# Altium PCB PV Refridgerator v0.1.1.PCBDOC (part 1 of 2)
Units mil, origin at the board's own origin, x right, y up, seen from the top; angles counter-clockwise.
Board outline 6000 x 6000 mil, 2 copper layers (Top Layer, Bottom Layer); 137 components, 98 nets, 385 pads, 641 vias.
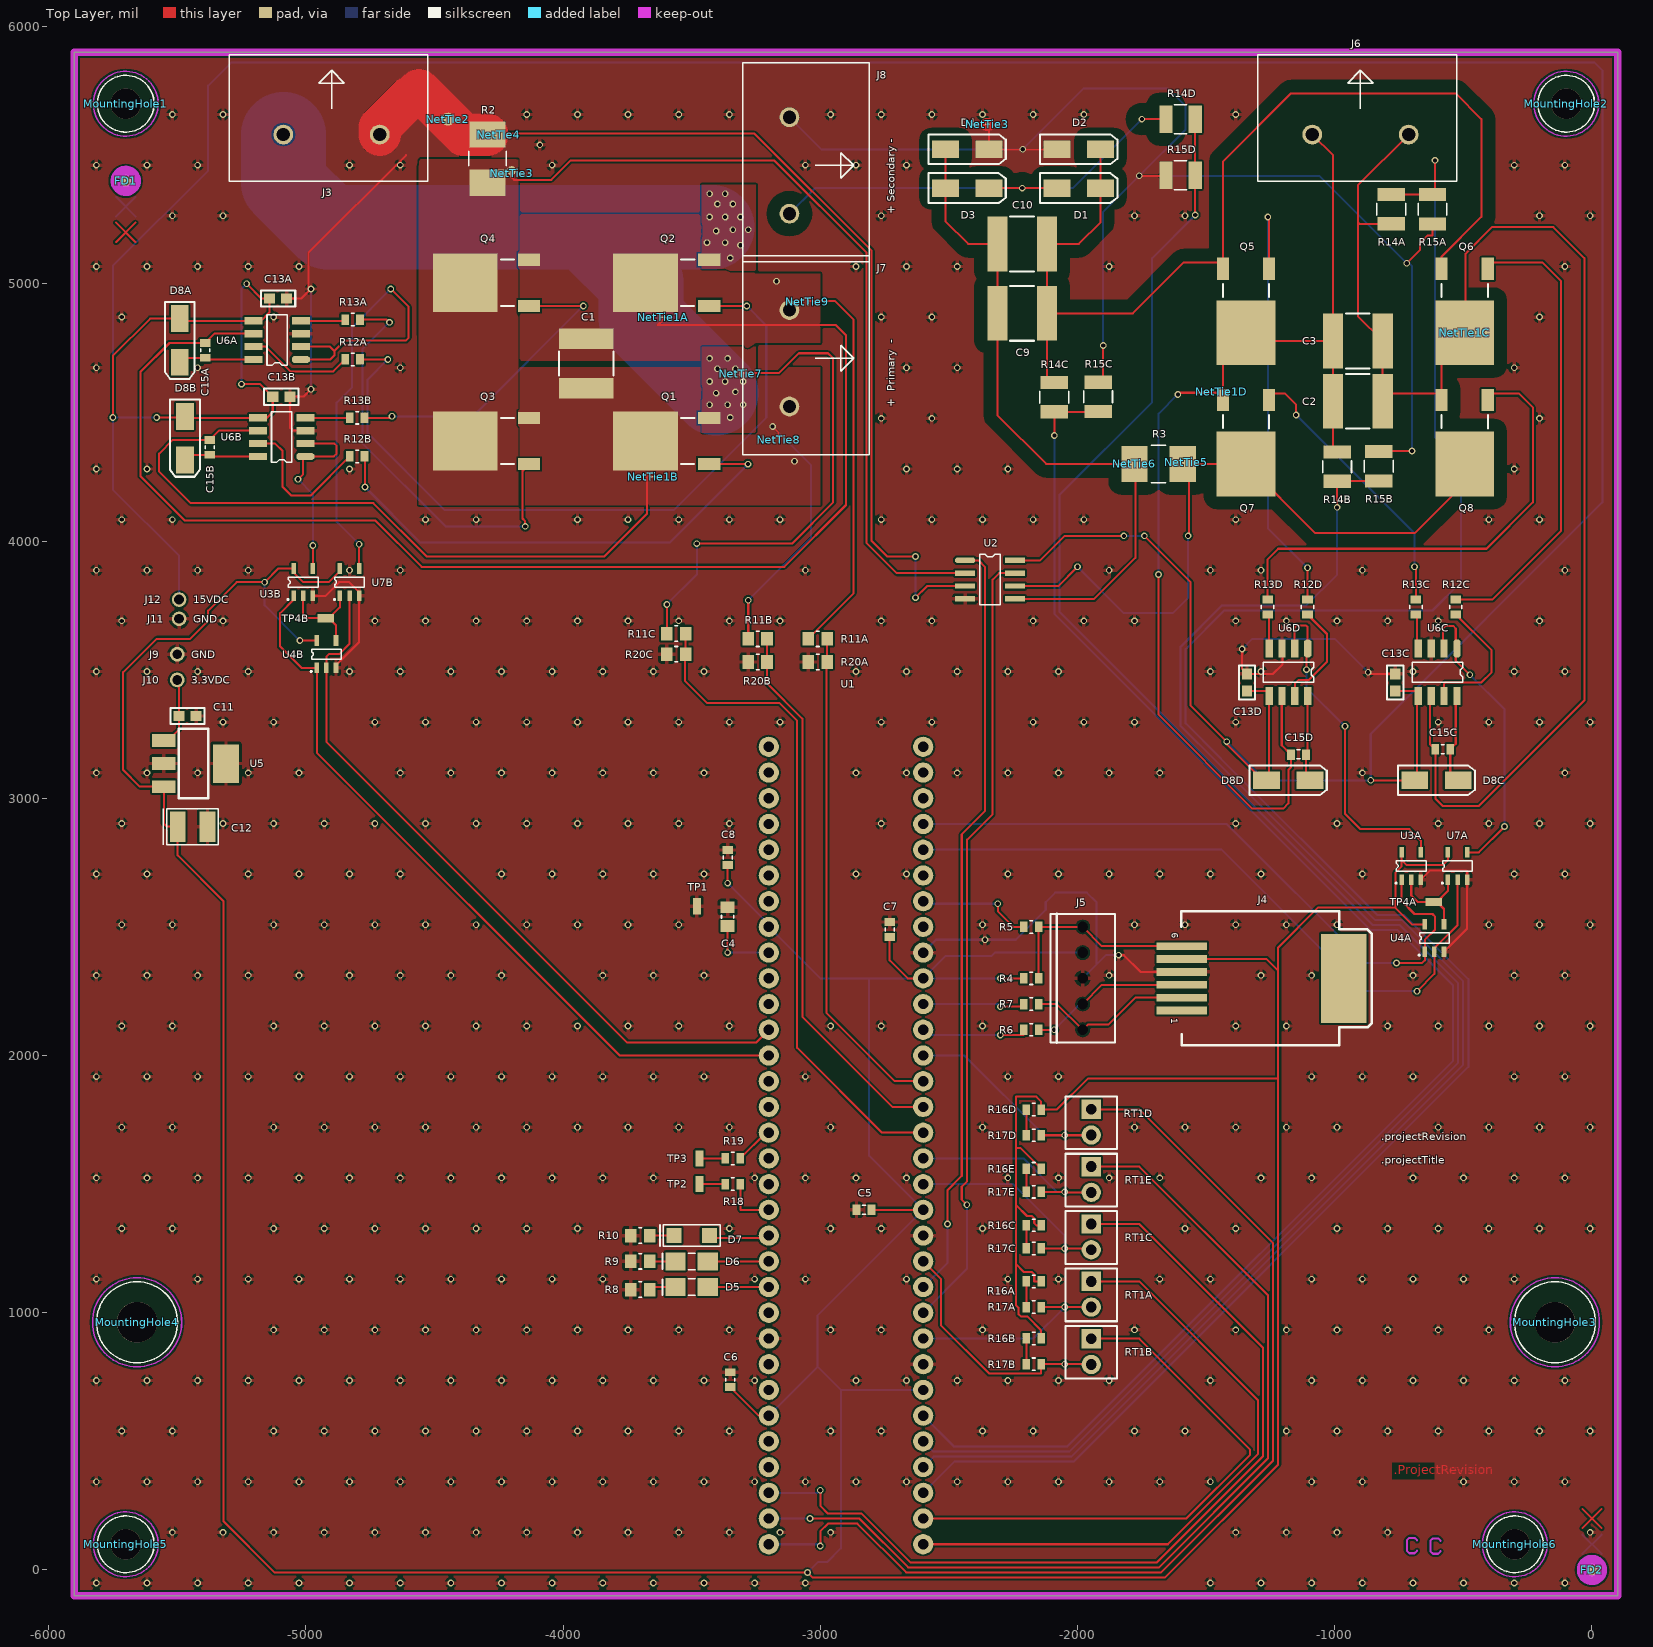
[diagram p0: Top Layer view]
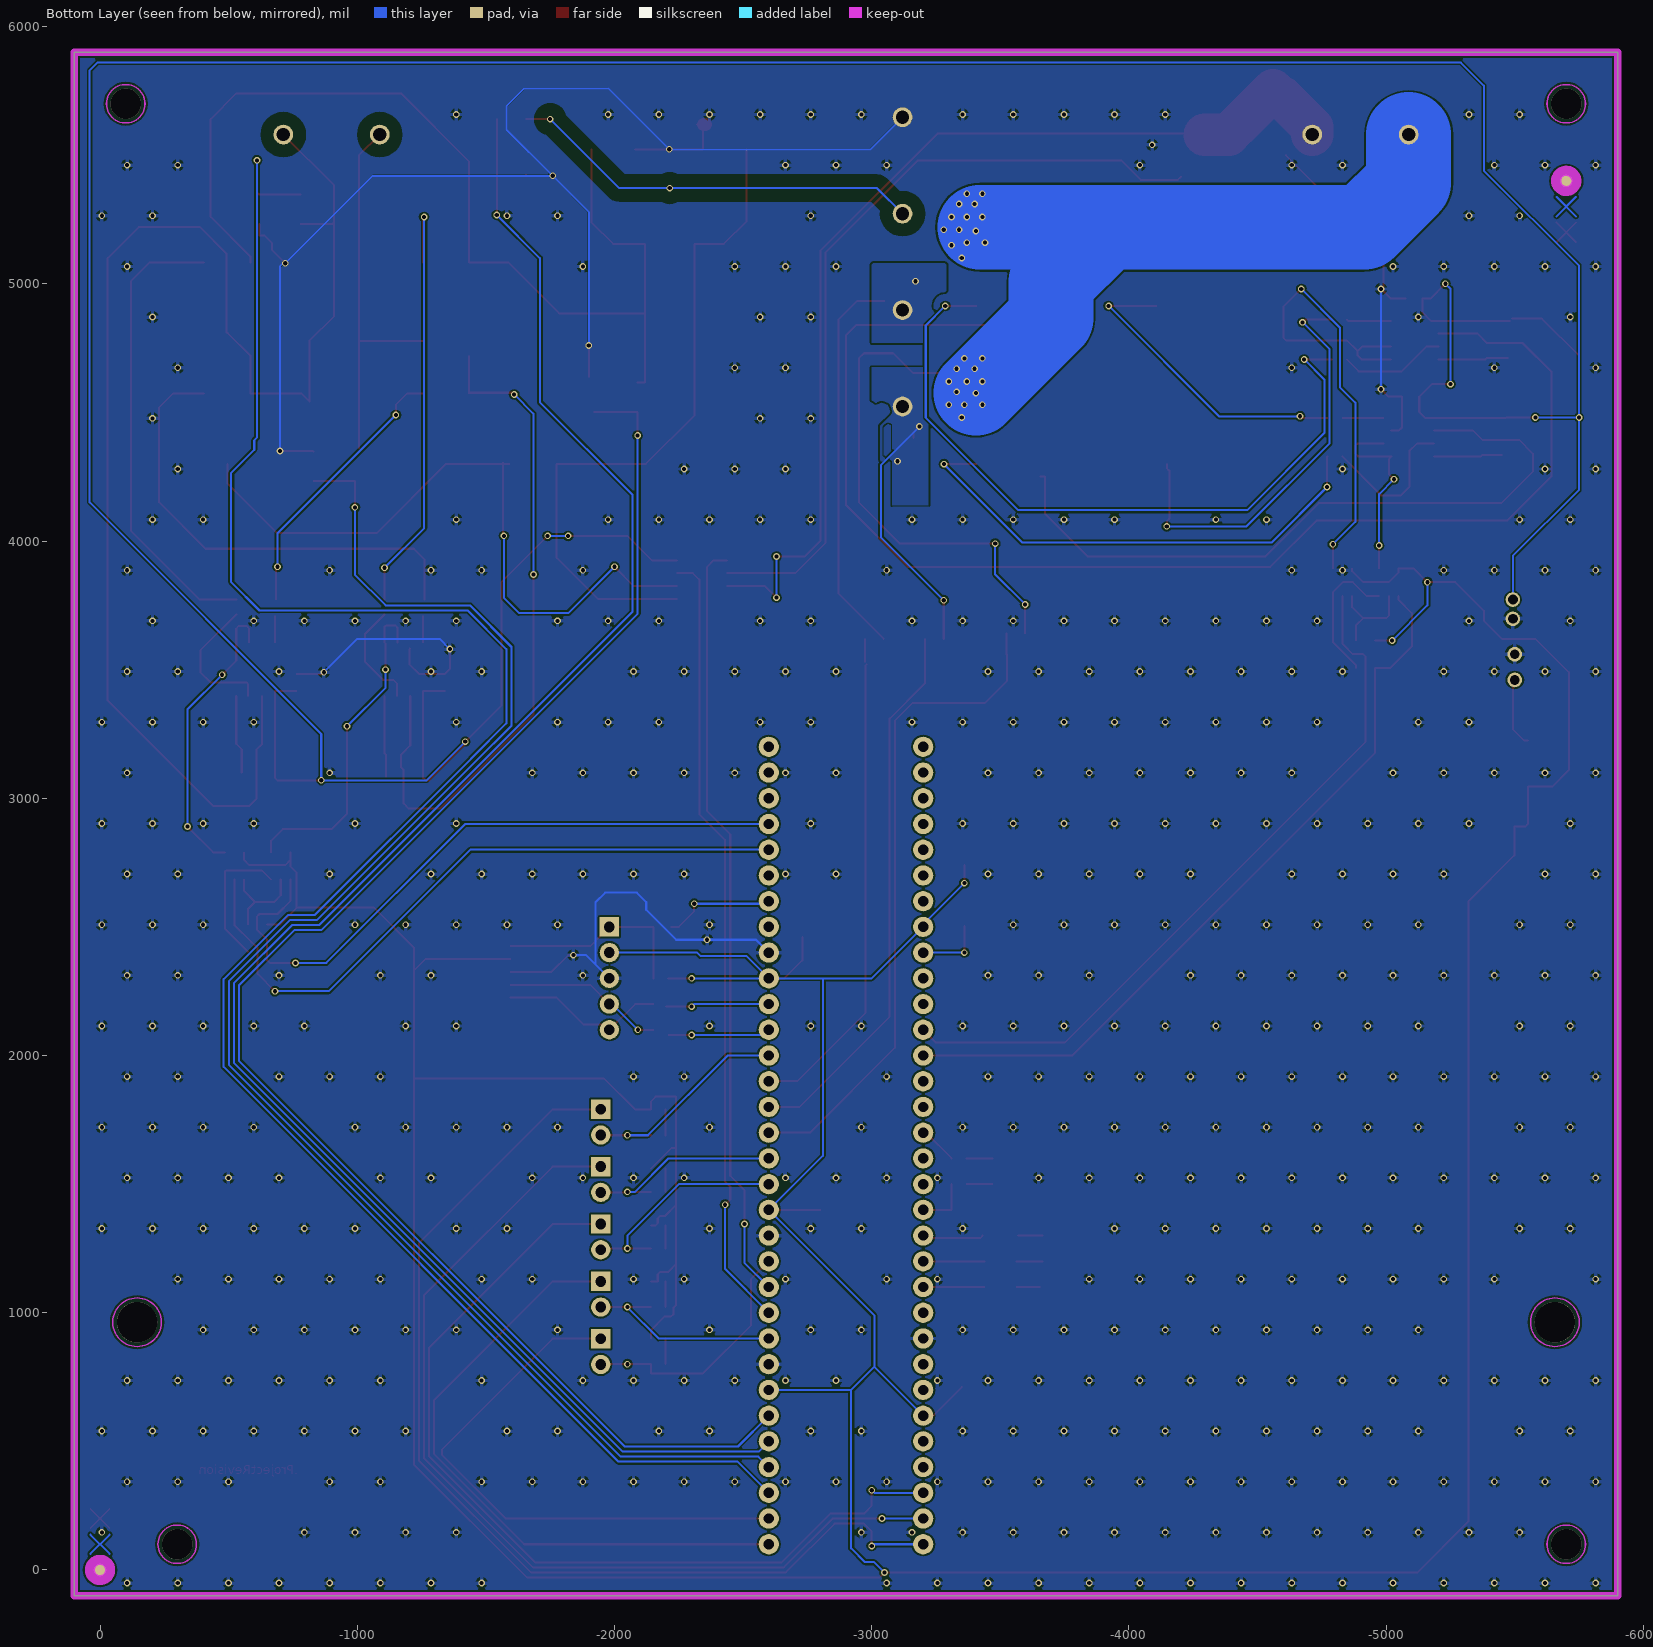
[diagram p1: Bottom Layer view, seen from below]

## Layer stack, top to bottom
Top Solder: solder mask 0.4, Solder Resist, Dk 3.5
Top Layer: signal copper 1.4
Dielectric1: core 12.6, FR-4, Dk 4.8
Bottom Layer: signal copper 1.4
Bottom Solder: solder mask 0.4, Solder Resist, Dk 3.5

## Board outline
-5900,-100 -5900,5900 100,5900 100,-100

## Design rules (kind name [scope] priority, off if disabled: settings)
AssemblyTestpoint [All] p1: testpointundercomponent=TRUE minsize=40 maxsize=100 preferedsize=60 minholesize=0 maxholesize=40 preferedholesize=32 testpointgrid=1 usegrid=FALSE gridtolerance=0.01 allowsidebottom=TRUE
Clearance "Clearance Grounds" [InNetClass('Grounds') vs InNetClass('Grounds')] p1: gap=-1 ignorepadtopadclearanceinfootprint=FALSE except(0: Arc-Hole Track-Hole SMDPad-Hole THPad-Hole Via-Hole Fill-Hole Poly-Hole Region-Hole Text-Hole)
Clearance "High Voltage (171-250V) Clearance" [InNetClass('171-250V')] p2: gap=49.21 ignorepadtopadclearanceinfootprint=FALSE except(0: Arc-Hole Track-Hole SMDPad-Hole THPad-Hole Via-Hole Fill-Hole Poly-Hole Region-Hole Text-Hole)
Clearance "Tracks -VT1.P" [InNet('-VT1.P') vs InNet('NetC15A_2')          or InNet('NetNetTie9_1')] p3: gap=-1 ignorepadtopadclearanceinfootprint=FALSE except(0: Arc-Hole Track-Hole SMDPad-Hole THPad-Hole Via-Hole Fill-Hole Poly-Hole Region-Hole Text-Hole)
Clearance NetTie3 [InNet('NetNetTie3_1') vs InNet('NetNetTie3_2')] p4: gap=-1 ignorepadtopadclearanceinfootprint=FALSE except(0: Arc-Hole Track-Hole SMDPad-Hole THPad-Hole Via-Hole Fill-Hole Poly-Hole Region-Hole Text-Hole)
Clearance NetTie5 [InNet('NetNetTie5_1') vs InNet('NetNetTie5_2')] p5: gap=-1 ignorepadtopadclearanceinfootprint=FALSE except(0: Arc-Hole Track-Hole SMDPad-Hole THPad-Hole Via-Hole Fill-Hole Poly-Hole Region-Hole Text-Hole)
Clearance "Tracks +VT1.P" [InNet('+VT1.P') vs InNet('NetC15b_2')  or InNet('NetNetTie8_1')] p6: gap=-1 ignorepadtopadclearanceinfootprint=FALSE except(0: Arc-Hole Track-Hole SMDPad-Hole THPad-Hole Via-Hole Fill-Hole Poly-Hole Region-Hole Text-Hole)
Clearance "Tracks -DC Bus" [InNet('-DC BUS') vs InNet('NetNetTie6_1')] p7: gap=-1 ignorepadtopadclearanceinfootprint=FALSE except(0: Arc-Hole Track-Hole SMDPad-Hole THPad-Hole Via-Hole Fill-Hole Poly-Hole Region-Hole Text-Hole)
Clearance "Tracks +Vsolar" [InNet('+VSOLAR') vs InNet('NetNetTie7_1')] p8: gap=-1 ignorepadtopadclearanceinfootprint=FALSE except(0: Arc-Hole Track-Hole SMDPad-Hole THPad-Hole Via-Hole Fill-Hole Poly-Hole Region-Hole Text-Hole)
Clearance Tracks [All] p9: gap=7 ignorepadtopadclearanceinfootprint=FALSE except(0: Arc-Hole Track-Hole SMDPad-Hole THPad-Hole Via-Hole Fill-Hole Poly-Hole Region-Hole Text-Hole)
ComponentClearance "Fiducials and labels" [HasFootprint('Date Code Label') OR HasFootprint('Fiducial - Top Only') or HasFootprint('1 Pin 14-Gauge Wire Connector') OR HasFootprint('1 Pin 22-Gauge Wire Connector')] p1: gap=-1000 collisioncheckmode=3 verticalgap=5 showdistances=TRUE
ComponentClearance Netties [(ObjectKind = 'Component') And (ComponentType = 'Net Tie')] p2: gap=-1000 collisioncheckmode=3 verticalgap=5 showdistances=TRUE
ComponentClearance "Terminal Blocks" [(HasFootprint('TE 796739-2')) vs (HasFootprint('TE 796739-2'))] p3: gap=-1000 collisioncheckmode=3 verticalgap=5 showdistances=TRUE
ComponentClearance [All] p4: gap=5 collisioncheckmode=3 verticalgap=5 showdistances=TRUE
FabricationTestpoint [All] p1: side=2 testpointundercomponent=TRUE minsize=40 maxsize=100 preferedsize=60 minholesize=0 maxholesize=40 preferedholesize=32 testpointgrid=1 allowsidebottom=TRUE usegrid=FALSE gridtolerance=0.01
HoleSize "OSH Park Hole Size" [All] p1: absolutevalues=TRUE maxlimit=1000 minlimit=13 maxpercent=80.000 minpercent=20.000
HoleSize "Sunstone Hole Size" [All] p2: absolutevalues=TRUE maxlimit=251 minlimit=16 maxpercent=80.000 minpercent=20.000
MinimumAnnularRing [All] p1: minimumring=5 // OSH Park
MinimumSolderMaskSliver [(InComponentClass('Inside Board Components'))] p1: minsoldermaskwidth=0
PolygonConnect "Hi-Power Polygon" [InNetClass('15A')] p1: connectstyle=Direct reliefconductorwidth=10 reliefentries=4 polygonreliefangle="45 Angle" airgapwidth=10
PolygonConnect [All] p2: connectstyle=Relief reliefconductorwidth=15 reliefentries=4 polygonreliefangle="90 Angle" airgapwidth=10
RoomDefinition "Vsense Thermistor2" [InComponentClass('Vsense Thermistor2')] p1: confinementstyle=ConfineIn formatcopy=TRUE lockcomponents=FALSE outline -24711.73,-21901 -22711.73,-21901 -22711.73,-20901 -24711.73,-20901
RoomDefinition "Vsense Thermistor1" [InComponentClass('Vsense Thermistor1')] p2: confinementstyle=ConfineIn formatcopy=TRUE lockcomponents=FALSE outline -24711.73,-21901 -22711.73,-21901 -22711.73,-20901 -24711.73,-20901
RoomDefinition "15VDC Powersupply" [InComponentClass('15VDC Powersupply')] p3: confinementstyle=ConfineIn formatcopy=TRUE lockcomponents=FALSE outline 148.27,329 538.27,329 538.27,649 148.27,649
RoomDefinition "Vsense Thermistor5" [InComponentClass('Vsense Thermistor5')] p4: confinementstyle=ConfineIn formatcopy=TRUE lockcomponents=FALSE outline 277.27,-2567.93 277.27,-2414.07 841.27,-2414.07 841.27,-2383.03 1185.27,-2383.03 1185.27,-2488.97 803.26,-2488.97 803.26,-2665 559.77,-2665 559.77,-2567.93
RoomDefinition "Vsense Thermistor4" [InComponentClass('Vsense Thermistor4')] p5: confinementstyle=ConfineIn formatcopy=TRUE lockcomponents=FALSE outline 277.27,-3002.93 277.27,-2849.07 841.27,-2849.07 841.27,-2818.03 1185.27,-2818.03 1185.27,-2923.97 803.26,-2923.97 803.26,-3100 559.77,-3100 559.77,-3002.93
RoomDefinition "Vsense Thermistor3" [InComponentClass('Vsense Thermistor3')] p6: confinementstyle=ConfineIn formatcopy=TRUE lockcomponents=FALSE outline 277.27,-3437.93 277.27,-3284.07 841.27,-3284.07 841.27,-3253.03 1185.27,-3253.03 1185.27,-3358.97 803.26,-3358.97 803.26,-3535 559.77,-3535 559.77,-3437.93
RoomDefinition "Vsense 0-2234" [InComponentClass('Vsense 0-2234')] p7: confinementstyle=ConfineIn formatcopy=TRUE lockcomponents=FALSE outline -2361.74,-3483.59 -2361.74,-3379.1 -248.19,-3379.1 -248.19,-3455.1 -2194.26,-3455.1 -2194.26,-3483.59
RoomDefinition "Vsense 0-2233" [InComponentClass('Vsense 0-2233')] p8: confinementstyle=ConfineIn formatcopy=TRUE lockcomponents=FALSE outline -2529.21,-3483.59 -2529.21,-3379.1 -656,-3379.1 -656,-3455.1 -2361.74,-3455.1 -2361.74,-3483.59
RoomDefinition "Vsense 0-2232" [InComponentClass('Vsense 0-2232')] p9: confinementstyle=ConfineIn formatcopy=TRUE lockcomponents=FALSE outline -3795.21,-3515.04 -3795.21,-3379.1 -1859.31,-3379.1 -1859.31,-3483.59 -3643.21,-3483.59 -3643.21,-3515.04
RoomDefinition "Vsense 0-2231" [InComponentClass('Vsense 0-2231')] p10: confinementstyle=ConfineIn formatcopy=TRUE lockcomponents=FALSE outline -6000,-3685.7 -6000,-3609.7 -2194.26,-3609.7 -2194.26,-3379.1 -520.06,-3379.1 -520.06,-3455.1 -2026.78,-3455.1 -2026.78,-3483.59 -2026.78,-3685.7 -5864.06,-3685.7
RoomDefinition "Vsense 0-69.3V1" [InComponentClass('Vsense 0-69.3V1')] p11: confinementstyle=ConfineIn formatcopy=TRUE lockcomponents=FALSE outline -3086.93,3409 -3086.93,3491 -3077.97,3491 -3077.97,3658 -2942.03,3658 -2942.03,3491 -2933.07,3491 -2933.07,3409
RoomDefinition Transformer [InComponentClass('Transformer')] p12: confinementstyle=ConfineIn formatcopy=TRUE lockcomponents=FALSE outline -4767.5,5908.75 -4767.5,8731.25 -1376.25,8731.25 -1376.25,5908.75 -2801.48,5908.75 -2801.48,4328.1 -3308.6,4328.1 -3308.6,5908.75
RoomDefinition "Safety Logic2" [InComponentClass('Safety Logic2')] p13: confinementstyle=ConfineIn formatcopy=TRUE lockcomponents=FALSE outline -5080,3757.18 -5080,3922.82 -4764.49,3922.82 -4764.49,3757.18 -4854.49,3757.18 -4854.49,3477.18 -4990,3477.18 -4990,3757.18
RoomDefinition "Safety Logic1" [InComponentClass('Safety Logic1')] p14: confinementstyle=ConfineIn formatcopy=TRUE lockcomponents=FALSE outline -772.6,2654.03 -772.6,2819.67 -457.09,2819.67 -457.09,2654.03 -547.09,2654.03 -547.09,2374.03 -682.6,2374.03 -682.6,2654.03
RoomDefinition Microcontroller [InComponentClass('Microcontroller')] p15: confinementstyle=ConfineIn formatcopy=TRUE lockcomponents=FALSE outline -5864.06,-3682.7 -5864.06,-3609.7 -3407.5,-3609.7 -3407.5,3407.5 -2392.5,3407.5 -2392.5,-3379.1 -1199.75,-3379.1 -1199.75,-3460.09 -3169.21,-3460.09 -3169.21,-3485.04 -3169.21,-3668.7 -4184.69,-3668.7 -5728.06,-3668.7 -5728.06,-3682.7
RoomDefinition ICSP [InComponentClass('ICSP')] p16: confinementstyle=ConfineIn formatcopy=TRUE lockcomponents=FALSE outline -2452.97,2068 -2452.97,2632 -2347.03,2632 -2347.03,2570.04 -965.79,2570.04 -965.79,2029.96 -1822.39,2029.96 -1822.39,2040 -2235,2040 -2235,2068
RoomDefinition "Half H-Bridge Driver4" [InComponentClass('Half H-Bridge Driver4')] p17: confinementstyle=ConfineIn formatcopy=TRUE lockcomponents=FALSE outline -1448.5,4564.5 -1448.5,4595.5 -1431.5,4595.5 -1431.5,3796.43 -1074,3796.43 -1074,3660 -1047.89,3660 -1047.89,3139 -1022,3139 -1022,3001 -1340,3001 -1340,3373.07 -1382,3373.07 -1448.5,3373.07
RoomDefinition "Half H-Bridge Driver3" [InComponentClass('Half H-Bridge Driver3')] p18: confinementstyle=ConfineIn formatcopy=TRUE lockcomponents=FALSE outline -805.65,3373.07 -805.65,3526.93 -717.13,3526.93 -717.13,3660 -716.65,3660 -716.65,3796.43 -510.5,3796.43 -510.5,4818.5 -479.5,4818.5 -479.5,3660 -471.54,3660 -471.54,3139 -445.65,3139 -445.65,3001 -763.65,3001 -763.65,3373.07
RoomDefinition "Half H-Bridge Driver2" [InComponentClass('Half H-Bridge Driver2')] p19: confinementstyle=ConfineIn formatcopy=TRUE lockcomponents=FALSE outline -5539,4241 -5539,4559 -5171.93,4559 -5171.93,4602 -5018.07,4602 -5018.07,4516.48 -4884,4516.48 -4884,4511 -4747.57,4511 -4747.57,4378.5 -3654.5,4378.5 -3654.5,4361.5 -4747.57,4361.5 -4747.57,4297 -4884,4297 -4884,4270.89 -5401,4270.89 -5401,4241
RoomDefinition "Half H-Bridge Driver1" [InComponentClass('Half H-Bridge Driver1')] p20: confinementstyle=ConfineIn formatcopy=TRUE lockcomponents=FALSE outline -5559,4621 -5559,4939 -5184.93,4939 -5184.93,4984 -3685.5,4984 -3685.5,4988.5 -3654.5,4988.5 -3654.5,4971.5 -4765.1,4971.5 -4765.1,4674 -4901.54,4674 -4901.54,4647.89 -5421,4647.89 -5421,4621
RoomDefinition "3.3VDC Powersupply" [InComponentClass('3.3VDC Powersupply')] p21: confinementstyle=ConfineIn formatcopy=TRUE lockcomponents=FALSE outline -5754.41,-3379.1 -5754.41,-3007.1 -5464.41,-3007.1 -5464.41,-3379.1 -1551.59,-3379.1 -1551.59,-3461.1 -4892.69,-3461.1 -4892.69,-3534.1 -5122.69,-3534.1 -5754.41,-3534.1
RoomDefinition "Vsense (0-69.3V)" [InComponentClass('Vsense (0-69.3V)')] p22: confinementstyle=ConfineIn formatcopy=TRUE lockcomponents=FALSE outline -4892.69,-3532.96 -4892.69,-3379.1 -2913.21,-3379.1 -2913.21,-3485.04 -3415.21,-3485.04 -3415.21,-3515.04 -4810.69,-3515.04 -4810.69,-3532.96
RoomDefinition "Vsense 0-69.3V2" [InComponentClass('Vsense 0-69.3V2')] p23: confinementstyle=ConfineIn formatcopy=TRUE lockcomponents=FALSE outline -3320.46,3409 -3320.46,3491 -3311.5,3491 -3311.5,3658 -3175.56,3658 -3175.56,3491 -3166.6,3491 -3166.6,3409
RoomDefinition "RGB LED" [InComponentClass('RGB LED')] p24: confinementstyle=ConfineIn formatcopy=TRUE lockcomponents=FALSE outline -3643.21,-3515.04 -3643.21,-3379.1 -2727.68,-3379.1 -2727.68,-3007.1 -1099.23,-3007.1 -1099.23,-3379.1 -384.13,-3379.1 -384.13,-3455.1 -3567.21,-3455.1 -3567.21,-3515.04
RoomDefinition "High Voltage H-Bridge" [InComponentClass('High Voltage H-Bridge')] p25: confinementstyle=ConfineIn formatcopy=TRUE lockcomponents=FALSE outline -1495,4170 -1495,5159.7 -345,5159.7 -345,4170
RoomDefinition "High Current H-Bridge" [InComponentClass('High Current H-Bridge')] p26: confinementstyle=ConfineIn formatcopy=TRUE lockcomponents=FALSE outline -4510,4239 -4510,5154 -3330.3,5154 -3330.3,4239
RoomDefinition "Full-Wave Rectifier" [InComponentClass('Full-Wave Rectifier')] p27: confinementstyle=ConfineIn formatcopy=TRUE lockcomponents=FALSE outline -2588,5303 -2588,5592 -1836,5592 -1836,5303 -2070.17,5303 -2070.17,4769.7 -2359.83,4769.7 -2359.83,5303
RoomDefinition "Current Sense" [InComponentClass('Current Sense')] p28: confinementstyle=ConfineIn formatcopy=TRUE lockcomponents=FALSE outline -4374.7,5332.93 -4374.7,5640.3 -4212.7,5640.3 -4212.7,4381 -1531.31,4381 -1531.31,4219 -1931.5,4219 -1931.5,34.5 -1948.5,34.5 -1948.5,3743.57 -2485.02,3743.57 -4374.7,3743.57
RoutingPriority Hi-Power [InNetClass('Hi-Power')] p1: routingpriority=0
RoutingPriority "Non-Hi-Power Tracks" [All] p2: routingpriority=1
RoutingTopology "Analog Routing Topology" [InNet('ANALOG GROUND')] p1: topology=Starburst
RoutingTopology [All] p2: topology=Shortest
RoutingVias "Signal/Power Vias" [All] p1: holewidth=16 width=26 viastyle="Through Hole" minholewidth=16 minwidth=26 maxholewidth=16 maxwidth=26
SMDNeckDown SMDNeckDown_1 [InNetClass('Power')] p1: percent=5000.000
SMDNeckDown [InNetClass('Extreme Hi-Power')] p2: percent=5000.000
ShortCircuit "Ground Short Circuit" [InNetClass('Grounds') vs InNetClass('Grounds')] p1: allowed=TRUE
ShortCircuit "ShortCircuit -VT1.P" [InNet('-VT1.P') vs InNet('NetC15A_2')          or InNet('NetNetTie9_1')] p2: allowed=TRUE
ShortCircuit "ShortCircuit NetTie3" [InNet('NetNetTie3_1') vs InNet('NetNetTie3_2')] p3: allowed=TRUE
ShortCircuit "ShortCircuit NetTie5" [InNet('NetNetTie5_1') vs InNet('NetNetTie5_2')] p4: allowed=TRUE
ShortCircuit "ShortCircuit -0V" [InNet('0V') vs InNet('NetNetTie4_1')] p5: allowed=TRUE
ShortCircuit "ShortCircuit +VT1.P" [InNet('+VT1.P') vs InNet('NetC15b_2')  or InNet('NetNetTie8_1')] p6: allowed=TRUE
ShortCircuit "ShortCircuit -DC Bus" [InNet('-DC BUS') vs InNet('NetNetTie6_1')] p7: allowed=TRUE
ShortCircuit "ShortCircuit C_Vs" [InNet('C_VS') vs InNet('NetC15D_2')] p8: allowed=TRUE
ShortCircuit "ShortCircuit D_Vs" [InNet('D_VS') vs InNet('NetC15C_2')] p9: allowed=TRUE
ShortCircuit "ShortCircuit +Vsolar" [InNet('+VSOLAR') vs InNet('NetNetTie7_1')] p10: allowed=TRUE
ShortCircuit [All] p11: allowed=FALSE
SilkToSilkClearance [All] p1: silktosilkclearance=0
SilkToSolderMaskClearance SilkscreenOverComponentPads [IsPad] p1: minsilkscreentomaskgap=0 clearancetoexposedcopper=TRUE
SolderMaskExpansion Vias [IsVia] p1: expansion=-2
SolderMaskExpansion "Everything else" [All] p2: expansion=4
Width "High Current Width" [InNetClass('15A')] p1: maxlimit=9999 minlimit=165 preferedwidth=330
Width "Signal trace width" [All] p2: maxlimit=9999 minlimit=7 preferedwidth=7.87 checkconnectedcopper=TRUE
20 further rules are at their usual default settings.

## Classes and differential pairs
net class Grounds: 0V GND HVGND
channel class "Vsense Thermistor": VsenseThermistor1 VsenseThermistor2 VsenseThermistor3 VsenseThermistor4 VsenseThermistor5
component class "Vsense Thermistor5": R16E R17E RT1E
component class "Vsense Thermistor4": R16D R17D RT1D
component class "Vsense Thermistor3": R16C R17C RT1C
component class "Vsense Thermistor2": R16B R17B RT1B
component class "Vsense Thermistor1": R16A R17A RT1A
component class "Vsense 0-2234": R14D R15D
component class "Vsense 0-2233": R14C R15C
component class "Vsense 0-2232": R14B R15B
component class "Vsense 0-2231": R14A R15A
component class "3.3VDC Powersupply": C11 C12 J9 J10 U5
channel class "Safety Logic": "Safety Logic1" "Safety Logic2"
component class "Vsense 0-69.3V1": R11A R20A
component class "Safety Logic2": TP4B U3B U4B U7B
component class "Safety Logic1": TP4A U3A U4A U7A
component class "Half H-Bridge Driver4": C13D C15D D8D NetTie1D R12D R13D U6D
component class "Half H-Bridge Driver3": C13C C15C D8C NetTie1C R12C R13C U6C
component class "Half H-Bridge Driver2": C13B C15B D8B NetTie1B R12B R13B U6B
component class "Half H-Bridge Driver1": C13A C15A D8A NetTie1A R12A R13A U6A
component class "Current Sense": NetTie3 NetTie4 NetTie5 NetTie6 R2 R3 U2
component class "Full-Wave Rectifier": C9 C10 D1 D2 D3 D4
component class "High Current H-Bridge": C1 Q1 Q2 Q3 Q4
component class "High Voltage H-Bridge": C2 C3 Q5 Q6 Q7 Q8
component class ICSP: J4 J5 R4 R5 R6 R7
component class Microcontroller: C4 C5 C6 C7 C8 R18 R19 TP1 TP2 TP3 U1
component class Overview: FD1 FD2 J3 J6 MountingHole1 MountingHole2 MountingHole3 MountingHole4 MountingHole5 MountingHole6 NetTie2 NetTie3 NetTie7 NetTie8 NetTie9
component class "Vsense 0-69.3V2": R11B R20B
component class "RGB LED": D5 D6 D7 R8 R9 R10
component class Transformer: J7 J8 Transformer1
component class "Vsense (0-69.3V)": R11C R20C
net class 15A: 0V +VSOLAR +VT1.P -VT1.P NetNetTie3_2
net class 171-250V: "+DC BUS" +VT1.S "-DC BUS" C_VS D_VS HVGND NetNetTie5_2
channel class "Half H-Bridge Driver": "Half H-Bridge Driver1" "Half H-Bridge Driver2" "Half H-Bridge Driver3" "Half H-Bridge Driver4"
channel class "Vsense 0-69.3V": "Vsense (0-69.3V)"
component class "15VDC Powersupply": J11 J12

## Components (designator, comment, footprint, x,y, rotation, side; value= is the part's Value field where it differs from the comment)
C1 "1uF 2220 450V" "C2220 - CERAMIC" -3910,4690 r90 top
C2 "1uF 2220 450V" "C2220 - CERAMIC" -910,4543 r0 top
C3 "1uF 2220 450V" "C2220 - CERAMIC" -910,4778 r0 top
C4 "10uF 0805 10V" "C0805 - Ceramic" -3360,2540 r90 top
C5 "100nF 0603 50V" "C0603 - Ceramic" -2830,1400 r180 top
C6 "100nF 0603 50V" "C0603 - Ceramic" -3350,740 r90 top
C7 "100nF 0603 50V" "C0603 - Ceramic" -2730,2490 r90 top
C8 "100nF 0603 50V" "C0603 - Ceramic" -3360,2770 r90 top
C9 "1uF 2220 450V" "C2220 - CERAMIC" -2215,4885 r0 top
C10 "1uF 2220 450V" "C2220 - CERAMIC" -2215,5155 r0 top
C11 "100nF 0603 50V" "Capacitor - 0603 Ceramic" -5460,3320 r0 top
C12 "1206" "Capacitor - 1210 Tantalum" -5440,2890 r0 top
C13A "1uF 0603 25V" "Capacitor - 0603 Ceramic" -5108,4943 r0 top (schematic designator C13)
C13B "1uF 0603 25V" "Capacitor - 0603 Ceramic" -5095,4561 r0 top (schematic designator C13)
C13C "1uF 0603 25V" "Capacitor - 0603 Ceramic" -764.65,3450 r90 top (schematic designator C13)
C13D "1uF 0603 25V" "Capacitor - 0603 Ceramic" -1341,3450 r90 top (schematic designator C13)
C15A "100nF 0603 50V" "C0603 - Ceramic" -5391.54,4741 r90 top (schematic designator C15)
C15B "100nF 0603 50V" "C0603 - Ceramic" -5374,4364 r90 top (schematic designator C15)
C15C "100nF 0603 50V" "C0603 - Ceramic" -580,3190 r180 top (schematic designator C15)
C15D "100nF 0603 50V" "C0603 - Ceramic" -1141,3170 r180 top (schematic designator C15)
D1 "" "SMA - Diode" -1995,5372 r0 top
D2 "" "SMA - Diode" -1995,5523 r0 top
D3 "" "SMA - Diode" -2429,5372 r0 top
D4 "" "SMA - Diode" -2429,5523 r0 top
D5 "Red LED 1206" "LED - 1206 Red" -3500,1100 r180 top
D6 "Green LED 1206" "LED - 1206 Green" -3500,1200 r180 top
D7 "Blue LED 1206" "LED - 1206 Blue" -3500,1300 r180 top
D8A "" "SMA - Diode" -5490,4780 r270 top (schematic designator D8)
D8B "" "SMA - Diode" -5470,4400 r270 top (schematic designator D8)
D8C "" "SMA - Diode" -604.65,3070 r0 top (schematic designator D8)
D8D "" "SMA - Diode" -1181,3070 r0 top (schematic designator D8)
FD1 "Fiducial, Double Sided" "Fiducial - Double sided" -5700,5400 r0 top locked
FD2 "Fiducial, Double Sided" "Fiducial - Double sided" 0,0 r0 top locked
J3 "Terminal Block - 2-Position HiV/HiA" "TE 796739-2" -4900,5580 r0 top
J4 "RJ12 Verticle SMT" "Connector- RJ12 Vertical SMT" -1280,2300 r270 top
J5 "MTA100 - 5-Pin with friction Lock" "Connector - MTA-100 5 Position" -1980,2300 r270 top
J6 "Terminal Block - 2-Position HiV/HiA" "TE 796739-2" -900,5580 r0 top
J7 "Terminal Block - 2-Position HiV/HiA" "TE 796739-2" -3120,4710.39 r270 top locked
J8 "Terminal Block - 2-Position HiV/HiA" "TE 796739-2" -3120,5460 r270 top locked
J9 "GND" "1 Pin 22-Gauge Wire Connector" -5500,3560 r0 top
J10 "3.3VDC" "1 Pin 22-Gauge Wire Connector" -5500,3460 r0 top
J11 "GND" "1 Pin 22-Gauge Wire Connector" -5492.5,3697.5 r180 top
J12 "15VDC" "1 Pin 22-Gauge Wire Connector" -5492.5,3772.5 r180 top
MountingHole1 "M3 Tooling Holes" "M3 Screw - One Sided" -5700,5700 r90 top locked
MountingHole2 "Mounting Hole" "M3 Screw - One Sided" -100,5700 r90 top locked
MountingHole3 "Mounting Hole" "M4 Screw - One Sided" -144.09,962.99 r90 top locked
MountingHole4 "M4 Mounting Hole" "M4 Screw - One Sided" -5655.91,962.99 r90 top locked
MountingHole5 "Mounting Hole" "M3 Screw - One Sided" -5700,100 r90 top locked
MountingHole6 "Mounting Hole" "M3 Screw - One Sided" -300,100 r90 top locked
NetTie1A "Net Tie" "Net tie (7/7 mil)" -3610,4870 r0 top net-tie (schematic designator NetTie1)
NetTie1B "Net Tie" "Net tie (7/7 mil)" -3650,4250 r180 top net-tie (schematic designator NetTie1)
NetTie1C "Net Tie" "Net tie (7/7 mil)" -495,4810 r0 top net-tie (schematic designator NetTie1)
NetTie1D "Net Tie" "Net tie (7/7 mil)" -1440,4580 r270 top net-tie (schematic designator NetTie1)
NetTie2 "Net Tie" "Net tie (7/50 mil)" -4460,5640 r180 top net-tie
NetTie3 "Net Tie" "Net tie (7/7 mil)" -2350,5620 r0 top net-tie
NetTie3 "Net Tie" "Net tie (7/35 mil)" -4200,5440 r270 top net-tie
NetTie4 "Net Tie" "Net tie (7/7 mil)" -4250,5580 r0 top net-tie
NetTie5 "Net Tie" "Net tie (7/35 mil)" -1586.31,4306 r0 top net-tie
NetTie6 "Net Tie" "Net tie (7/7 mil)" -1778.5,4300 r0 top net-tie
NetTie7 "Net Tie" "Net tie (7/7 mil)" -3310,4650 r90 top net-tie
NetTie8 "Net Tie" "Net tie (7/7 mil)" -3161.5,4394.5 r90 top net-tie
NetTie9 "Net Tie" "Net tie (7/7 mil)" -3050,4930 r90 top net-tie
Q1 "N-MOSFET - 66A/25V" DPAK -3680,4389 r90 top
Q2 "N-MOSFET - 66A/25V" DPAK -3680,5004 r90 top
Q3 "N-MOSFET - 66A/25V" DPAK -4380,4389 r90 top
Q4 "N-MOSFET - 66A/25V" DPAK -4380,5004 r90 top
Q5 "N-MOSFET - 66A/25V" DPAK -1345,4810 r180 top
Q6 "N-MOSFET - 66A/25V" DPAK -495,4810 r180 top
Q7 "N-MOSFET - 66A/25V" DPAK -1345,4300 r180 top
Q8 "N-MOSFET - 66A/25V" DPAK -495,4300 r180 top
R2 "Template - Resistor" R2512 -4293.7,5486.61 r270 top
R3 "" R2512 -1685,4300 r0 top
R4 "10k 0603 1%" R0603 -2180,2300 r0 top
R5 "100R 0603 1%" R0603 -2180,2500 r180 top
R6 "100R 0603 1%" R0603 -2180,2100 r180 top
R7 "100R 0603 1%" R0603 -2180,2200 r180 top
R8 "255R 0805 1%" R0805 -3700,1090 r0 top
R9 "255R 0805 1%" R0805 -3700,1200 r0 top
R10 "255R 0805 1%" R0805 -3700,1300 r0 top
R11A "Template - Resistor" R0805 -3010,3620 r180 top (schematic designator R11)
R11B "Template - Resistor" R0805 -3243.53,3620 r180 top (schematic designator R11)
R11C "Template - Resistor" R0805 -3560,3640 r180 top (schematic designator R11)
R12A "Template - Resistor" R0603 -4818.07,4706 r0 top (schematic designator R12)
R12B "Template - Resistor" R0603 -4800.54,4329 r0 top (schematic designator R12)
R12C "Template - Resistor" R0603 -529.65,3743.47 r90 top (schematic designator R12)
R12D "Template - Resistor" R0603 -1106,3743.46 r90 top (schematic designator R12)
R13A "Template - Resistor" R0603 -4818.07,4861 r0 top (schematic designator R13)
R13B "Template - Resistor" R0603 -4800.54,4479 r0 top (schematic designator R13)
R13C "Template - Resistor" R0603 -684.65,3743.47 r90 top (schematic designator R13)
R13D "Template - Resistor" R0603 -1261,3743.46 r90 top (schematic designator R13)
R14A "Template - Resistor" R1210 -780,5290 r270 top (schematic designator R14)
R14B "Template - Resistor" R1210 -990.83,4290 r90 top (schematic designator R14)
R14C "Template - Resistor" R1210 -2090,4560 r90 top (schematic designator R14)
R14D "Template - Resistor" R1210 -1600,5640 r180 top (schematic designator R14)
R15A "Template - Resistor" R1210 -620,5290 r90 top (schematic designator R15)
R15B "Template - Resistor" R1210 -829.17,4290 r270 top (schematic designator R15)
R15C "Template - Resistor" R1210 -1920,4560 r270 top (schematic designator R15)
R15D "Template - Resistor" R1210 -1599.04,5422 r0 top (schematic designator R15)
R16A "Template - Resistor" R0603 -2170,1122 r0 top (schematic designator R16)
R16B "Template - Resistor" R0603 -2170,900 r0 top (schematic designator R16)
R16C "Template - Resistor" R0603 -2170,1340 r0 top (schematic designator R16)
R16D "Template - Resistor" R0603 -2170,1790 r0 top (schematic designator R16)
R16E "Template - Resistor" R0603 -2170,1560 r0 top (schematic designator R16)
R17A "Template - Resistor" R0603 -2170,1022 r180 top (schematic designator R17)
R17B "Template - Resistor" R0603 -2170,800 r180 top (schematic designator R17)
R17C "Template - Resistor" R0603 -2170,1250 r180 top (schematic designator R17)
R17D "Template - Resistor" R0603 -2170,1690 r180 top (schematic designator R17)
R17E "Template - Resistor" R0603 -2170,1470 r180 top (schematic designator R17)
R18 "100R 0603 1%" R0603 -3340,1500 r180 top
R19 "100R 0603 1%" R0603 -3340,1600 r180 top
R20A "Template - Resistor" R0805 -3010,3530 r0 top (schematic designator R20)
R20B "Template - Resistor" R0805 -3243.53,3530 r0 top (schematic designator R20)
R20C "Template - Resistor" R0805 -3560,3560 r0 top (schematic designator R20)
RT1A "Tº" "CONNECTOR - MTA-100 2 POSITION FRICTION LOCK" -1946.5,1072 r90 top (schematic designator RT1)
RT1B "Tº" "CONNECTOR - MTA-100 2 POSITION FRICTION LOCK" -1946.5,849 r90 top (schematic designator RT1)
RT1C "Tº" "CONNECTOR - MTA-100 2 POSITION FRICTION LOCK" -1946.5,1295 r90 top (schematic designator RT1)
RT1D "Tº" "CONNECTOR - MTA-100 2 POSITION FRICTION LOCK" -1946.5,1741 r90 top (schematic designator RT1)
RT1E "Tº" "CONNECTOR - MTA-100 2 POSITION FRICTION LOCK" -1946.5,1518 r90 top (schematic designator RT1)
TP1 "Test Clip" "SMT Test Clip" -3480,2580 r90 top
TP2 "Test Clip" "SMT Test Clip" -3470,1500 r90 top
TP3 "Test Clip" "SMT Test Clip" -3470,1600 r90 top
TP4A "Test Clip" "SMT Test Clip" -614.85,2596.85 r0 top (schematic designator TP4)
TP4B "Test Clip" "SMT Test Clip" -4922.25,3700 r0 top (schematic designator TP4)
Transformer1 "Transformer" TRANSFORMER -3100,7320 r90 top
U1 "PIC24FJ256GA106 Microprocessor" "TQFP-64 0.5MM BREAKOUT BOARD" -2600,3200 r180 top locked
U2 "Dual High Side Current Sense Amplifier" "SOIC-8 (3.9MM)" -2340,3850 r270 top
U3A "Single XOR Logic Gate" SOT23-5 -702.6,2736.85 r0 top (schematic designator U3)
U3B "Single XOR Logic Gate" SOT23-5 -5010,3840 r0 top (schematic designator U3)
U4A "Single AND Logic Gate" SOT23-5 -612.6,2456.85 r0 top (schematic designator U4)
U4B "Single AND Logic Gate" SOT23-5 -4920,3560 r0 top (schematic designator U4)
U5 "3.3V Linear Voltage Regulator LDO" SOT223 -5428.5,3135 r270 top
U6A "H-Bridge Driver" SOIC-8 -5111.54,4781 r90 top (schematic designator U6)
U6B "H-Bridge Driver" SOIC-8 -5094,4404 r90 top (schematic designator U6)
U6C "H-Bridge Driver" SOIC-8 -600,3490 r180 top (schematic designator U6)
U6D "H-Bridge Driver" SOIC-8 -1180,3490 r180 top (schematic designator U6)
U7A "Single XOR Logic Gate" SOT23-5 -522.6,2736.85 r0 top (schematic designator U7)
U7B "Single XOR Logic Gate" SOT23-5 -4830,3840 r0 top (schematic designator U7)

## Footprints (in the part's own frame and the unit in brackets; to place one, negate y for a bottom-side part, rotate by r counter-clockwise, add the part's x,y. Pads: shape width x height; smd on the part's side, far side on the other; paste and mask are expansions set on the pad)
"1 Pin 22-Gauge Wire Connector" [mil] "22-Guage"
  round 57 hole 38: 1(0,0)
"C0603 - Ceramic" [mil] "Improved footprint"
  rect 30x41 smd: 1(-29,0) 2(29,0)
  silkscreen extent -6,-18 6,17, body extent -31,-15 32,16, height 12
"C0805 - Ceramic" [mil]
  rect 45x55 smd: 1(-36.5,0) 2(36.5,0)
  silkscreen extent -6,-24 6,24, body extent -39,-25 39,25, height 31
"C2220 - CERAMIC" [mm] "Chip Capacitor, 2-Leads, Body 5.75x5.00mm, IPC Medium Density"
  rect 2x5.4 smd: 1(-2.45,0) 2(2.45,0)
  silkscreen extent -1.19,-2.7 1.17,2.7, body extent -2.85,-2.5 2.85,2.5, height 2.3
"Capacitor - 0603 Ceramic" [mm] "IPC-SM-782 Compliant - Rev B 2016-06-09"
  rrect0% 1.1x1 smd: 1(-0.85,0) 2(0.85,0)
  silkscreen extent -1.7,-0.8 1.7,0.8, body extent -0.8,-0.4 0.8,0.4, height 0.3
"Capacitor - 1210 Tantalum" [mm] "Chip Capacitor, 2-Leads, Body 3.50x2.80mm, IPC Medium Density"
  rrect0% 1.55x3 smd: 1(-1.475,0) 2(1.475,0)
  silkscreen extent -2.92,-1.78 2.54,1.78, body extent -1.85,-1.46 1.85,1.47, height 2.03
"CONNECTOR - MTA-100 2 POSITION FRICTION LOCK" [mil]
  rect 75x75 hole 42 mask+5: 1(50,0)
  round 75 hole 42 mask+5: 2(-50,0)
  silkscreen extent -105,-100 100,100, body extent -100,-105 100,125, height 396
"Connector - MTA-100 5 Position" [mil] "Verticle"
  rect 0x0 / inner rect 0x0 / far side rect 75x75 hole 42: 1(-200,0)
  round 0 / inner round 0 / far side round 75 hole 42: 2(-100,0) 3(0,0) 4(100,0) 5(200,0)
  silkscreen extent -250,-125 250,125, body extent -251,-125 249,105, height 395
"Connector- RJ12 Vertical SMT" [mm] "SMT Vertical RJ12"
  rect 8.8x4.5 smd: 0(0,8.003)
  rect 0.76x5 smd: 1(3.175,-8) 2(1.905,-8) 3(0.635,-8) 4(-0.635,-8) 5(-1.905,-8) 6(-3.175,-8)
  silkscreen extent -6.61,-8.03 6.61,10.78, body extent -6.6,-9.54 6.61,9.94, height 12.87
DPAK [mm]
  rect 1.2x2.2 smd: 1(-2.28,-6.3) 3(2.28,-6.3)
  rect 5.8x6.4 smd: 2(0,0)
  silkscreen extent -2.29,-4.83 2.29,-3.51, body extent -3.32,-7.06 3.26,2.64, height 2.3
"Fiducial - Double sided" [mm] "Double sided"
  round 1.25 smd paste-1.524 mask+1: 0(0,0)
  round 1.25 smd far side paste-1.524 mask+1: 0(0,0)
  Keep-Out Layer circle w1: c0,0 r1
"LED - 1206 Blue" [mm]
  rect 1.5x1.5 smd: 1(-1.75,0) 2(1.75,0)
  silkscreen extent -2.82,-1.07 3.12,1.07, body extent -1.58,-0.8 1.64,0.8, height 1.1
"LED - 1206 Green" [mil]
  rect 78x70 smd: 1(-62.5,0) 2(62.5,0)
  silkscreen extent -14,-32 113,32, body extent -63,-31 63,31, height 43
"LED - 1206 Red" [mil]
  rect 78x70 smd: 1(-62.5,0) 2(62.5,0)
  silkscreen extent -14,-32 113,32, body extent -63,-31 63,32, height 43
"M3 Screw - One Sided" [mm] "Back side is safe (No metal post/nuts)"
  round 3 hole 3 unplated: ""(0,0)
  Top Layer keep-out circle w0.152: c0,0 r3.2
  Bottom Layer keep-out circle w0.152: c0,0 r1.9
  silkscreen extent -2.8,-2.8 2.8,2.8
"M4 Screw - One Sided" [mm] "Back side is safe (No metal post/nuts)"
  round 4 hole 4 unplated: ""(0,0)
  Top Layer keep-out circle w0.152: c0,0 r4.4
  Bottom Layer keep-out circle w0.152: c0,0 r2.4
  silkscreen extent -4,-4 4,4
"Net tie (7/7 mil)" [mil] "Connects 2 nets together, 7 mil trace"
  oval 14x7 smd paste-20 mask-20: 1(3.5,0) 2(-3.5,0)
"Net tie (7/35 mil)" [mil] "Connects 2 nets together, 35 to 7 mil trace"
  oval 14x7 smd paste-20 mask-20: 1(20,0)
  round 35 smd paste-200 mask-200: 2(0,0)
"Net tie (7/50 mil)" [mil] "Connects 2 nets together, 50 to 7 mil trace"
  oval 14x7 smd paste-20 mask-20: 1(-10,0)
  round 50 smd paste-200 mask-200: 2(-13,0)
R0603 [mil] "Improved footprint"
  rect 30x41 smd: 1(-28.97,0) 2(28.97,0)
  silkscreen extent -6,-24 6,24, body extent -32,-16 31,15, height 12
R0805 [mil] "SMT"
  rect 45x53 smd: 1(-36.47,0) 2(36.47,0)
  silkscreen extent -6,-30 6,30, body extent -39,-25 39,25, height 31
R1210 [mm]
  rect 1.3x2.7 smd: 1(-1.462,0) 2(1.438,0)
  silkscreen extent -0.61,-1.42 0.58,1.42, body extent -2,-1.24 2,1.24, height 1.7
R2512 [mm]
  rect 2.6x3.55 smd: 1(-2.375,0) 2(2.375,0)
  silkscreen extent -0.71,-1.85 0.69,1.85, body extent -3.2,-1.6 3.2,1.6, height 0.61
"SMA - Diode" [mm]
  rect 2.65x1.75 smd: 1(-2.15,0) 2(2.15,0)
  silkscreen extent -3.81,-1.48 3.81,1.48, body extent -2.74,-1.4 2.74,1.4, height 2.29
"SMT Test Clip" [mm]
  rect 1.6x0.8 smd: 1(0,0)
SOIC-8 [mm] "Copper Only"
  oct 0.72x1.78 smd: 1(-1.905,-2.34)
  rect 0.72x1.78 smd: 2(-0.635,-2.34) 3(0.635,-2.34) 4(1.905,-2.34) 5(1.905,2.34) 6(0.635,2.34) 7(-0.635,2.34) 8(-1.905,2.34)
  silkscreen extent -2.5,-1 2.5,1, body extent -2.5,-3 2.5,3, height 1.61
"SOIC-8 (3.9MM)" [mm]
  oct 0.53x1.98 smd: 1(-1.905,-2.465)
  rect 0.53x1.98 smd: 2(-0.635,-2.465) 3(0.635,-2.465) 4(1.905,-2.465) 5(1.905,2.465) 6(0.635,2.465) 7(-0.635,2.465) 8(-1.905,2.465)
  silkscreen extent -2.5,-1 2.5,1, body extent -2.5,-3 2.5,3, height 1.61
SOT23-5 [mm]
  rect 0.45x1.05 smd: 1(-0.95,-1.35) 2(0,-1.35) 3(0.95,-1.35) 4(0.95,1.35) 5(-0.95,1.35)
  silkscreen extent -1.57,-1.78 1.46,0.51, body extent -1.46,-1.42 1.46,1.42, height 1.12
SOT223 [mil] "Tab connected to center pin"
  rect 50x90 smd: 1(-90,-123.5) 2(0,-123.5) 3(90,-123.5)
  rect 150x100 smd: 2(0,118.5)
  silkscreen extent -135,-65 135,50, body extent -126,-149 130,127, height 67
"TE 796739-2" [mm]
  round 1.95 hole 1.3: 1(-4.76,0) 2(4.76,0)
  silkscreen extent -10.12,-4.6 9.52,7.9, body extent -10.12,-4.6 9.52,7.9, height 21.51
"TQFP-64 0.5MM BREAKOUT BOARD" [mm]
  round 2 hole 1.02: 1(0,0) 2(0,2.54) 3(0,5.08) 4(0,7.62) 5(0,10.16) 6(0,12.7) 7(0,15.24) 8(0,17.78) 9(0,20.32) 10(0,22.86) 11(0,25.4) 12(0,27.94) 13(0,30.48) 14(0,33.02) 15(0,35.56) 16(0,38.1) 17(0,40.64) 18(0,43.18) 19(0,45.72) 20(0,48.26) 21(0,50.8) 22(0,53.34) 23(0,55.88) 24(0,58.42) 25(0,60.96) 26(0,63.5) 27(0,66.04) 28(0,68.58) 29(0,71.12) 30(0,73.66) 31(0,76.2) 32(0,78.74) 33(15.24,78.74) 34(15.24,76.2) 35(15.24,73.66) 36(15.24,71.12) 37(15.24,68.58) 38(15.24,66.04) 39(15.24,63.5) 40(15.24,60.96) 41(15.24,58.42) 42(15.24,55.88) 43(15.24,53.34) 44(15.24,50.8) 45(15.24,48.26) 46(15.24,45.72) 47(15.24,43.18) 48(15.24,40.64) 49(15.24,38.1) 50(15.24,35.56) 51(15.24,33.02) 52(15.24,30.48) 53(15.24,27.94) 54(15.24,25.4) 55(15.24,22.86) 56(15.24,20.32) 57(15.24,17.78) 58(15.24,15.24) 59(15.24,12.7) 60(15.24,10.16) 61(15.24,7.62) 62(15.24,5.08) 63(15.24,2.54) 64(15.24,0)
  body extent -5.08,-5.08 20.32,83.82, height 10
TRANSFORMER [mil]
  body extent -1406,-1719 1406,1662, height 3375

## Part data
C11 C13A C13B C13C C13D: "Non-polarized"
C12: library part "22uF 1210 10V - Tantalum", "Polarized"
D1 D2 D3 D4 D8A D8B D8C D8D: library part "Diode - Signal 1A", "Signal Diode"
D7: "Single Colour"
J5: "Flash Programmer"
J9 J10 J11 J12: library part "1 Pin 22-Gauge Wire connector"
MountingHole1 MountingHole4: library part "Mounting Hole"
NetTie1A NetTie1B NetTie1C NetTie1D NetTie2 NetTie3 NetTie3 NetTie4 NetTie5 NetTie6 NetTie7 NetTie8 NetTie9: "Ties two nets together"
R3: library part "Template - Resistor"
R4 R11A R11B R11C R14A R14B R14C R14D R16A R16B R16C R16D R16E R17A R17B R17C R17D R17E: "Resistor"
R5 R6 R7 R8 R9 R10 R18 R19: "1/8W"
RT1A RT1B RT1C RT1D RT1E: library part "Thermistor 10k Type J", "Resistor"
U1: "General Purpose 16-Bit Flash Microcontroller, 256KB Flash, 16KB SRAM, 64-Pin TQFP, Industrial Temperature"
U5: "500mA"

## Via types
v1: diameter 26, hole 16, Top Layer to Bottom Layer, 641 vias

## Nets (pads, with @x,y where several pads share a name; then routed paths per layer and width w, separated by ;. In a path a pad name is that pad's centre, name@x,y a point inside that pad or via, vN(x,y) a via of type N, cw(c..) or ccw(c..) an arc to the next point about the centre after c; other vN are vias at no path point)
0V: J3.2 NetTie2.2 NetTie4.2 R2.1 | length 578.7
  Top Layer w165: J3.2@-4712.6,5580 -4712.6,5608.23 -4595.39,5725.44 -4587.56,5725.44 -4560,5753 NetTie2.2@-4447,5640 -4387.12,5580.12 R2.1@-4293.7,5580.12